# Altium PCB BLE_Gamepad_PCB.PcbDoc (part 1 of 2)
Units mm, origin at the board's own origin, x right, y up, seen from the top; angles counter-clockwise.
Board outline 144.15 x 112 mm, 2 copper layers (Top Layer, Bottom Layer), stack 1.671 mm thick; 133 components, 103 nets, 491 pads, 729 vias.
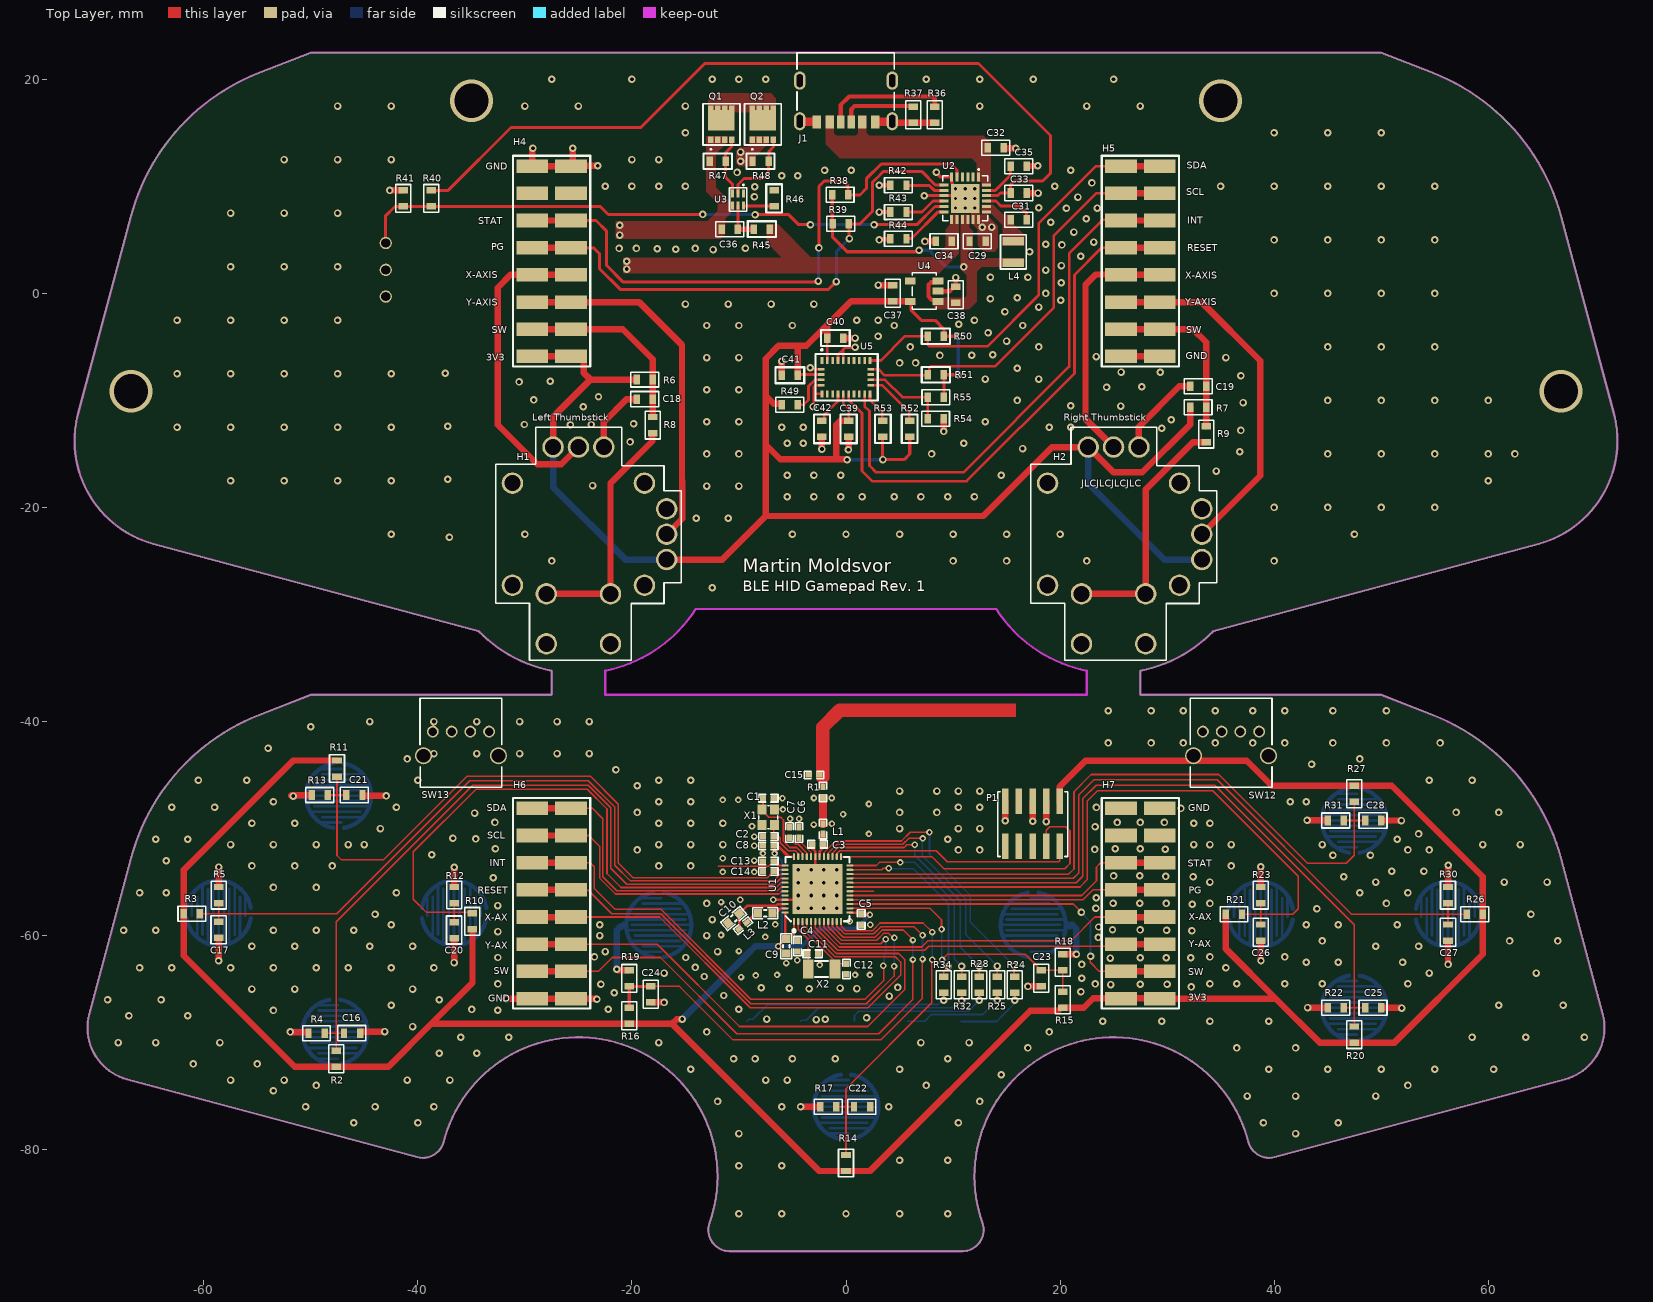
[diagram p0: Top Layer view]
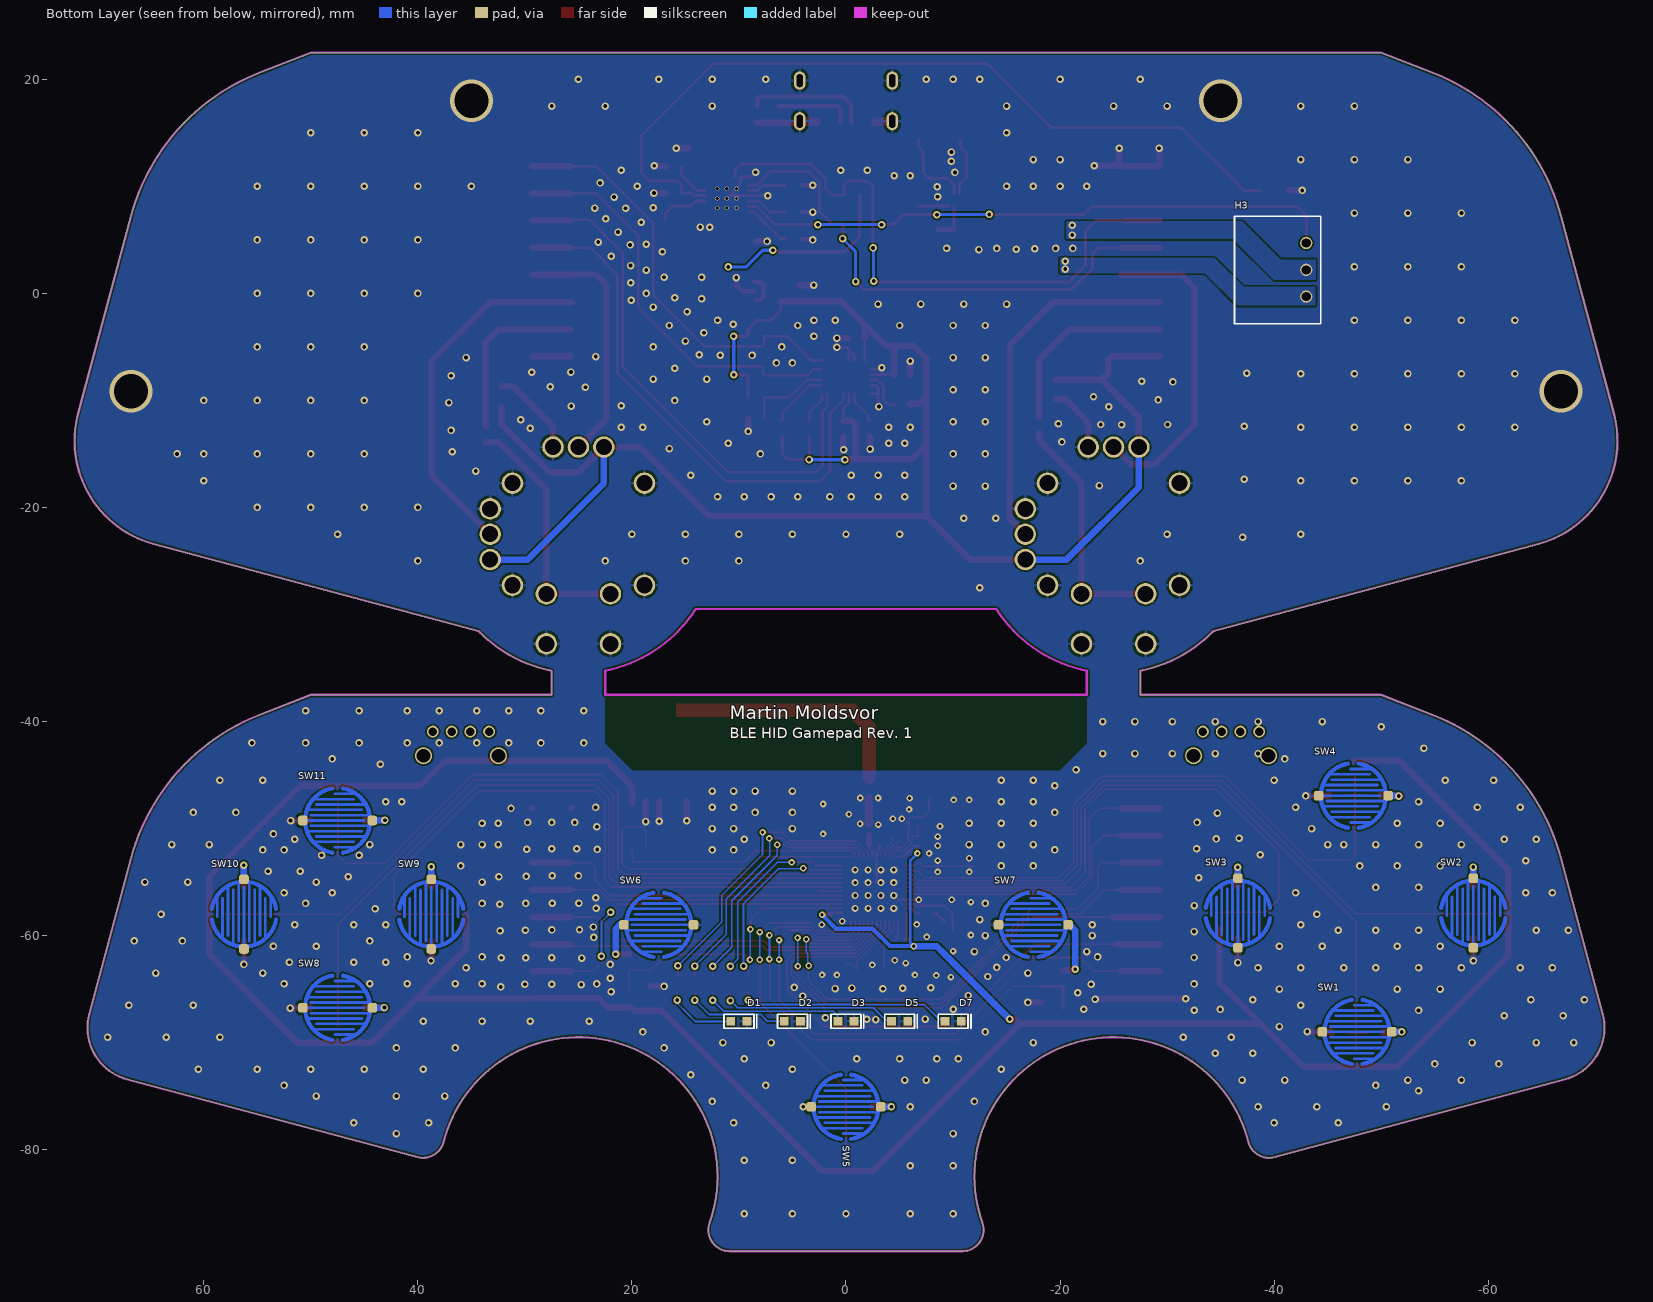
[diagram p1: Bottom Layer view, seen from below]
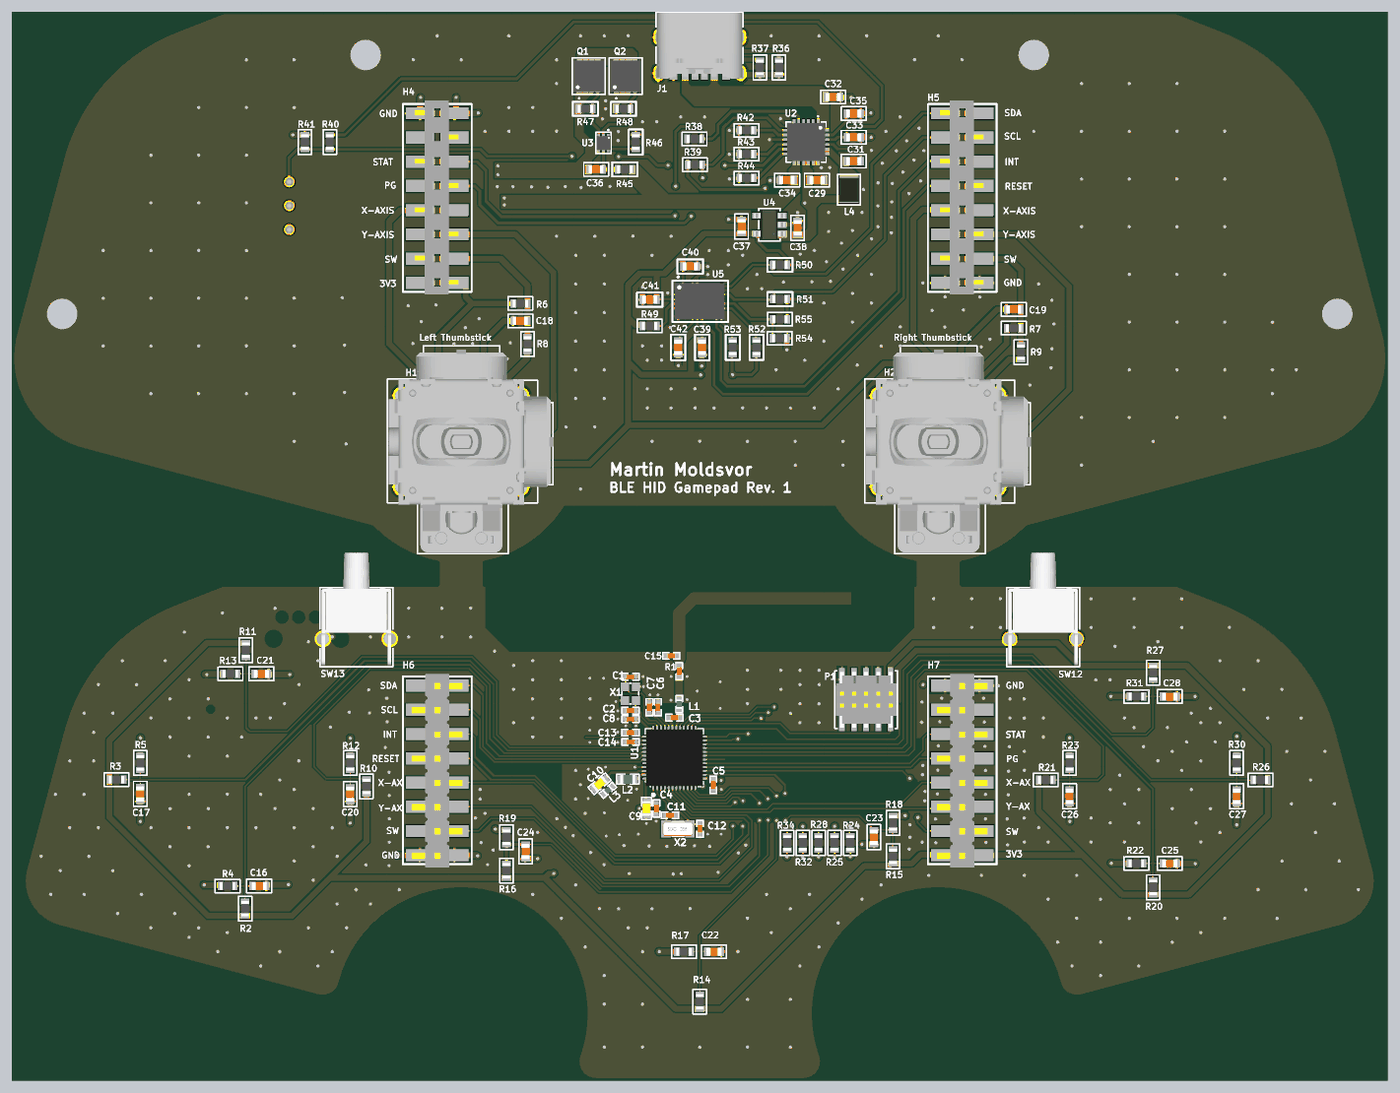
[diagram p3: 3D render of the assembled board from above, using the file's embedded part models]

## Layer stack, top to bottom
Top Solder: solder mask 0.0102, Solder Resist, Dk 3.5
Top Layer: signal copper 0.0356
Dielectric1: core 1.6002, FR-4, Dk 4.8
Bottom Layer: signal copper 0.0356
Bottom Solder: solder mask 0.0102, Solder Resist, Dk 3.5

## Board outline
-67.165,-73.436 cw(c-65.871,-68.607) -70.701,-67.313 -66.819,-52.824 cw(c-47.618,-57.894) -54.793,-39.377 -50,-37.5 -27.5,-37.5 -27.5,-35.257 cw(c-25,-22.5) -34.331,-31.552 -64.665,-23.424 cw(c-62.077,-13.764) -71.736,-11.176 -66.819,7.176 cw(c-47.618,2.106) -54.793,20.623 -50,22.5 50,22.5 54.793,20.623 cw(c47.5,2) 66.819,7.176 71.736,-11.176 cw(c62.077,-13.764) 64.665,-23.424 34.331,-31.552 cw(c25,-22.5) 27.5,-35.257 27.5,-37.5 50,-37.5 54.793,-39.377 cw(c47.5,-58) 66.819,-52.824 70.701,-67.313 cw(c65.871,-68.607) 67.165,-73.436 40.047,-80.703 cw(c39.529,-78.771) 37.592,-79.268 ccw(c25,-82.5) 12.743,-86.833 cw(c10.858,-87.5) 10.858,-89.5 -10.858,-89.5 cw(c-10.858,-87.5) -12.743,-86.833 ccw(c-25,-82.5) -37.592,-79.268 cw(c-39.529,-78.771) -40.047,-80.703
cut-out: -22.5,-37.5 22.5,-37.5 22.5,-35.257 cw(c25,-22.5) 14.046,-29.5 -14.046,-29.5 cw(c-25,-22.5) -22.5,-35.257

## Design rules (kind name [scope] priority, off if disabled: settings)
Clearance Polygon_ANT [(InNamedPolygon('Top_Layer-GND')) or (InNamedPolygon('Bottom_Layer-GND')) vs InNet('RF')] p1: gap=0.127 ignorepadtopadclearanceinfootprint=FALSE except(0: Arc-Hole Track-Hole SMDPad-Hole THPad-Hole Via-Hole Fill-Hole Poly-Hole Region-Hole Text-Hole)
Clearance Polygon [(InNamedPolygon('Top_Layer-GND')) or (InNamedPolygon('Bottom_Layer-GND'))] p2: gap=0.254 ignorepadtopadclearanceinfootprint=FALSE except(0: Arc-Hole Track-Hole SMDPad-Hole THPad-Hole Via-Hole Fill-Hole Poly-Hole Region-Hole Text-Hole)
Clearance [All] p3: gap=0.152 ignorepadtopadclearanceinfootprint=FALSE except(0: Arc-Hole Track-Hole SMDPad-Hole THPad-Hole Via-Hole Fill-Hole Poly-Hole Region-Hole Text-Hole; 0.127: Arc-Arc Arc-Track Track-Track SMDPad-SMDPad)
ComponentClearance [All] p1 off: gap=0.254 collisioncheckmode=3 verticalgap=0.254 showdistances=FALSE
FabricationTestPointUsage TestPointUsage [All] p1: valid=0 allowmultiple=FALSE
FabricationTestpoint Testpoint [All] p1: side=3 testpointundercomponent=TRUE minsize=1.016 maxsize=2.54 preferedsize=1.524 minholesize=0 maxholesize=1.016 preferedholesize=0.813 testpointgrid=0.025 allowsidetop=TRUE allowsidebottom=TRUE usegrid=TRUE gridtolerance=0
Height [All] p1 off: minheight=0 maxheight=25.4 prefheight=12.7
HoleSize [All] p1: absolutevalues=TRUE maxlimit=6.3 minlimit=0.2 maxpercent=80.000 minpercent=20.000
MinimumAnnularRing [All] p1 off: minimumring=0.152
PolygonConnect PowerPolygonConnect [(InNet('VBUS') OR InNet('SYS') OR InNet('PACK+') OR InNet('NetQ1_5') OR InNet('SW') OR InNet('CELL-') OR IsNamedPolygon('GND_PROT') OR IsNamedPolygon('GND_BMS'))] p1: connectstyle=Direct reliefconductorwidth=0.254 reliefentries=4 polygonreliefangle="90 Angle" airgapwidth=0.254
PolygonConnect PolygonConnect_1 [isVia and innet(gnd)] p2: connectstyle=Direct reliefconductorwidth=0.254 reliefentries=4 polygonreliefangle="90 Angle" airgapwidth=0.254
PolygonConnect [All] p3: connectstyle=Relief reliefconductorwidth=0.254 reliefentries=4 polygonreliefangle="90 Angle" airgapwidth=0.254
RoutingVias [All] p1: holewidth=0.406 width=0.813 viastyle="Through Hole" minholewidth=0.254 minwidth=0.254 maxholewidth=0.711 maxwidth=1.27
SilkToSolderMaskClearance SilkscreenOverComponentPads [IsPad] p1: minsilkscreentomaskgap=0.254 clearancetoexposedcopper=TRUE
SolderMaskExpansion [All] p1: expansion=0.076 istentingtop=FALSE
Width [All] p1: maxlimit=2 minlimit=0.15 preferedwidth=0.25 minimp=50.000000 maximp=50.000000 favimp=50.000000
24 further rules are at their usual default settings.

## Classes and differential pairs
component class Gamepad_Sensors: C18 C19 C39 C40 C41 C42 H1 H2 H4 H5 R6 R7 R8 R9 R49 R50 R51 R52 R53 R54 R55 U5
component class Battery_Manager: C29 C31 C32 C33 C34 C35 C36 C37 C38 H3 J1 L4 Q1 Q2 R36 R37 R38 R39 R40 R41 R42 R43 R44 R45 R46 R47 R48 U2 U3 U4
component class Gamepad_IO: C16 C17 C20 C21 C22 C23 C24 C25 C26 C27 C28 D1 D2 D3 D5 D7 R2 R3 R4 R5 R10 R11 R12 R13 R14 R15 R16 R17 R18 R19 R20 R21 R22 R23 R24 R25 R26 R27 R28 R30 R31 R32 R34 SW1 SW2 SW3 SW4 SW5 SW6 SW7 SW8 SW9 SW10 SW11 SW12 SW13
component class nRF52832_Schematic: C1 C2 C3 C4 C5 C6 C7 C8 C9 C10 C11 C12 C13 C14 C15 H6 H7 L1 L2 L3 P1 R1 U1 X1 X2

## Components (designator, comment, footprint, x,y, rotation, side; value= is the part's Value field where it differs from the comment)
C1 "12pF" CAPC1005X04L -7.259,-47.173 r0 top
C2 "12pF" CAPC1005X04L -7.259,-50.729 r180 top
C3 "0.8pF" CAPC1005X04L -2.661,-51.466 r0 top
C4 "100nF" CAPC1005X04L -4.541,-60.991 r270 top
C5 "100nF" CAPC1005X04L 1.428,-58.502 r270 top
C6 "N.C." CAPC1005X04L -4.388,-50.374 r270 top
C7 "100pF" CAPC1005X04L -5.277,-50.374 r90 top
C8 "100nF" CAPC1005X04L -7.259,-51.618 r180 top
C9 "4.7µF" CAPC1608X06L -5.582,-60.991 r270 top
C10 "1.0µF" CAPC1608X06L -10.489,-58.399 r40 top
C11 "12pF" CAPC1005X04L -3.118,-61.702 r0 top
C12 "12pF" CAPC1005X04L 0.031,-63.125 r270 top
C13 "12pF" CAPC1005X04L -7.259,-53.041 r180 top
C14 "12pF" CAPC1005X04L -7.259,-54.006 r180 top
C15 "1.2pF" "0603 RF" -2.991,-44.989 r0 top
C16 "1.0uF" "0603 Capacitor" -46.153,-69.118 r180 top
C17 "1.0uF" "0603 Capacitor" -58.618,-59.464 r90 top
C18 "Capacitor" "0603 Capacitor" -18.8,-9.875 r0 top
C19 "Capacitor" "0603 Capacitor" 32.9,-8.675 r0 top
C20 "1.0uF" "0603 Capacitor" -36.618,-59.49 r90 top
C21 "1.0uF" "0603 Capacitor" -45.927,-46.868 r180 top
C22 "1.0uF" "0603 Capacitor" 1.5,-76 r180 top
C23 "1.0uF" "0603 Capacitor" 18.25,-64 r90 top
C24 "1.0uF" "0603 Capacitor" -18.25,-65.5 r90 top
C25 "1.0uF" "0603 Capacitor" 49.25,-66.75 r180 top
C26 "1.0uF" "0603 Capacitor" 38.75,-59.715 r90 top
C27 "1.0uF" "0603 Capacitor" 56.25,-59.715 r90 top
C28 "1.0uF" "0603 Capacitor" 49.25,-49.25 r180 top
C29 "10uF" "0603 Capacitor" 12.289,4.875 r180 top
C31 "47nF" "0603 Capacitor" 16.139,6.875 r180 top
C32 "1uF" "0603 Capacitor" 14,13.6 r180 top
C33 "4.7uF" "0603 Capacitor" 16.139,9.375 r180 top
C34 "10uF" "0603 Capacitor" 9.139,4.875 r0 top
C35 "10uF" "0603 Capacitor" 16.139,11.875 r180 top
C36 "0.1uF" "0603 Capacitor" -10.861,6 r0 top
C37 "1uF 10V" "0603 Capacitor" 4.375,0.025 r270 top
C38 "1uF 10V" "0603 Capacitor" 10.25,-0.114 r270 top
C39 "0.1uF" "0603 Capacitor" 0.25,-12.65 r90 top
C40 "0.1uF" "0603 Capacitor" -1,-4.175 r0 top
C41 "0.1uF" "0603 Capacitor" -5.25,-7.65 r0 top
C42 "0.1uF" "0603 Capacitor" -2.25,-12.65 r90 top
D1 "LED" "0603 LED" 10,-68 r180 bottom
D2 "LED" "0603 LED" 5,-68 r180 bottom
D3 "LED" "0603 LED" 0,-68 r180 bottom
D5 "LED" "0603 LED" -5,-68 r180 bottom
D7 "LED" "0603 LED" -10,-68 r180 bottom
H1 "Left Thumbstick" "Thumbstick 2" -25,-22.5 r0 top
H2 "Right Thumbstick" "Thumbstick 2" 25,-22.5 r0 top
H3 "22-05-7035" "Molex Header 3" -43,4.7 r270 bottom
H4 "8x1 Header" "SMD Header Female" -27.5,3 r90 top
H5 "8x1 Header" "SMD Header Female" 27.5,3 r90 top
H6 "8x1 Header" "SMD Header Male" -27.5,-57 r90 top
H7 "8x1 Header" "SMD Header Male" 27.5,-57 r90 top
J1 "USB4125-GF-A" USB4125 0,16 r180 top
L1 "3.9nH" INDC1005X04L -2.153,-50.044 r90 top
L2 "10µH" INDC1608X06L -7.543,-57.918 r0 top
L3 "15nH" INDC1005X04L -9.626,-59.085 r40 top
L4 "1uH" SRP2510A 15.639,4.875 r270 top
P1 "JTag Connector" "JTAG 10 pin SMD" 14.89,-51.663 r90 top
Q1 "CSD16406Q3" CSD16406Q3 -11.325,14.35 r90 top
Q2 "CSD16406Q3" CSD16406Q3 -7.45,14.35 r90 top
R1 "0R" "0603 RF" -2.153,-46.589 r90 top
R2 "10k" "0603 Resistor" -47.632,-71.5 r270 top
R3 "10k" "0603 Resistor" -61.118,-57.964 r180 top
R4 "1k" "0603 Resistor" -49.472,-69.118 r0 top
R5 "1k" "0603 Resistor" -58.618,-56.214 r270 top
R6 "Resistor" "0603 Resistor" -18.8,-8.05 r180 top
R7 "Resistor" "0603 Resistor" 32.9,-10.625 r180 top
R8 "Resistor" "0603 Resistor" -18.05,-12.3 r270 top
R9 "Resistor" "0603 Resistor" 33.65,-13.15 r270 top
R10 "10k" "0603 Resistor" -34.925,-58.675 r270 top
R11 "10k" "0603 Resistor" -47.554,-44.394 r90 top
R12 "1k" "0603 Resistor" -36.618,-56.213 r270 top
R13 "1k" "0603 Resistor" -49.17,-46.868 r0 top
R14 "10k" "0603 Resistor" 0,-81.25 r270 top
R15 "10k" "0603 Resistor" 20.25,-66 r270 top
R16 "10k" "0603 Resistor" -20.25,-67.5 r270 top
R17 "1k" "0603 Resistor" -1.661,-76 r0 top
R18 "1k" "0603 Resistor" 20.25,-62.5 r270 top
R19 "1k" "0603 Resistor" -20.25,-64 r270 top
R20 "10k" "0603 Resistor" 47.5,-69.25 r270 top
R21 "10k" "0603 Resistor" 36.25,-58 r180 top
R22 "1k" "0603 Resistor" 45.75,-66.75 r0 top
R23 "1k" "0603 Resistor" 38.75,-56.215 r270 top
R24 "50R" "0603 Resistor" 15.775,-64.6 r270 top
R25 "50R" "0603 Resistor" 14.125,-64.6 r270 top
R26 "10k" "0603 Resistor" 58.75,-58 r0 top
R27 "10k" "0603 Resistor" 47.5,-46.75 r90 top
R28 "50R" "0603 Resistor" 12.45,-64.6 r270 top
R30 "1k" "0603 Resistor" 56.25,-56.215 r270 top
R31 "1k" "0603 Resistor" 45.75,-49.25 r0 top
R32 "50R" "0603 Resistor" 10.8,-64.6 r270 top
R34 "50R" "0603 Resistor" 9.15,-64.6 r270 top
R36 "5.1k 10%" "0603 Resistor" 8.3,16.7 r90 top
R37 "5.1k 10%" "0603 Resistor" 6.3,16.7 r90 top
R38 "10k" "0603 Resistor" -0.55,9.2 r180 top
R39 "10k" "0603 Resistor" -0.5,6.5 r180 top
R40 "5.3k" "0603 Resistor" -38.75,8.875 r90 top
R41 "31.14k" "0603 Resistor" -41.375,8.875 r270 top
R42 "160R" "0603 Resistor" 4.9,10.1 r0 top
R43 "226R" "0603 Resistor" 4.9,7.6 r0 top
R44 "FLOAT or 10k" "0603 Resistor" 4.9,5.1 r0 top
R45 "330R" "0603 Resistor" -7.861,6 r0 top
R46 "2.2k" "0603 Resistor" -6.711,8.875 r270 top
R47 "5M" "0603 Resistor" -11.986,12.35 r0 top
R48 "5M" "0603 Resistor" -7.986,12.35 r0 top
R49 "10k" "0603 Resistor" -5.25,-10.4 r180 top
R50 "2.2k" "0603 Resistor" 8.4,-4 r0 top
R51 "2.2k" "0603 Resistor" 8.4,-7.6 r0 top
R52 "Resistor" "0603 Resistor" 5.95,-12.65 r270 top
R53 "Resistor" "0603 Resistor" 3.45,-12.65 r270 top
R54 "Resistor" "0603 Resistor" 8.4,-9.7 r0 top
R55 "0R" "0603 Resistor" 8.375,-11.7 r180 top
SW1 "Switch Button" "ButtonPad Version 1" -47.75,-69 r180 bottom
SW2 "Switch Button" "ButtonPad Version 1" -58.618,-57.894 r90 bottom
SW3 "Switch Button" "ButtonPad Version 1" -36.618,-57.894 r90 bottom
SW4 "Switch Button" "ButtonPad Version 1" -47.411,-46.931 r180 bottom
SW5 "Switch Button" "ButtonPad Version 1" 0,-76 r180 bottom
SW6 "Switch Button" "ButtonPad Version 1" 17.5,-59 r0 bottom
SW7 "Switch Button" "ButtonPad Version 1" -17.5,-59 r180 bottom
SW8 "Switch Button" "ButtonPad Version 1" 47.5,-66.75 r180 bottom
SW9 "Switch Button" "ButtonPad Version 1" 38.75,-58 r90 bottom
SW10 "Switch Button" "ButtonPad Version 1" 56.25,-58 r90 bottom
SW11 "Switch Button" "ButtonPad Version 1" 47.5,-49.25 r180 bottom
SW12 "TL2243" TL2243 35.975,-43.2 r180 top
SW13 "TL2243" TL2243 -35.975,-43.2 r180 top
U1 "nRF52832-QFAB" QFN40P600X600X90-48N -2.661,-55.657 r90 top
U2 "BQ25616JRTWR" BQ25616 11.139,8.875 r270 top
U3 "BQ29700DSET" BQ297xx -9.586,9.35 r270 top
U4 "MIC5504-3.3YM5-TR" MIC5504 8.6,1.161 r270 top
U5 "BNO080" BNO080 0,-7.825 r90 top
X1 "32MHz" BT-XTAL_2016 -7.259,-48.951 r270 top
X2 "32.768kHz" XTAL_3215 -2.28,-63.125 r0 top

## Footprints (in the part's own frame and the unit in brackets; to place one, negate y for a bottom-side part, rotate by r counter-clockwise, add the part's x,y. Pads: shape width x height; smd on the part's side, far side on the other; paste and mask are expansions set on the pad)
"0603 Capacitor" [mm]
  rect 0.6x0.9 smd: 1(-0.75,0) 2(0.75,0)
  silkscreen extent -1.3,-0.71 1.32,0.71, body extent -0.8,-0.42 0.8,0.45, height 0.81
"0603 LED" [mm]
  rect 0.8x0.8 smd: 1(-0.75,0) 2(0.75,0)
  silkscreen extent -1.4,-0.67 1.68,0.66, body extent -0.8,-0.4 0.8,0.4, height 0.56
"0603 Resistor" [mm]
  rect 0.6x0.9 smd: 1(-0.75,0) 2(0.75,0)
  silkscreen extent -1.3,-0.7 1.3,0.7, body extent -0.8,-0.4 0.8,0.4, height 0.56
"0603 RF" [mm]
  rect 0.6x0.5 smd: 1(-0.5,0) 2(0.5,0)
  silkscreen extent -0.9,-0.35 0.9,0.35, body extent -0.51,-0.25 0.51,0.25, height 0.5
BNO080 [mm]
  rect 0.675x0.25 smd: 1(1.563,2.25) 6(-1.562,2.25) 7(-1.562,1.75) 8(-1.562,1.25) 9(-1.562,0.75) 10(-1.562,0.25) 11(-1.562,-0.25) 12(-1.562,-0.75) 13(-1.562,-1.25) 14(-1.562,-1.75) 15(-1.562,-2.25) 20(1.563,-2.25) 21(1.563,-1.75) 22(1.563,-1.25) 23(1.563,-0.75) 24(1.563,-0.25) 25(1.563,0.25) 26(1.563,0.75) 27(1.563,1.25) 28(1.563,1.75)
  rect 0.25x0.575 smd: 2(0.75,2.312) 3(0.25,2.312) 4(-0.25,2.312) 5(-0.75,2.312) 16(-0.75,-2.312) 17(-0.25,-2.312) 18(0.25,-2.312) 19(0.75,-2.312)
  silkscreen extent -2.17,-2.96 2.62,2.86, body extent -1.89,-2.6 1.91,2.6, height 1.19
BQ297xx [mm]
  rect 0.75x0.28 smd mask+0.05: 1(0,0) 2(0,-0.5) 3(0,-1) 4(1.15,-1) 5(1.15,-0.5) 6(1.15,0)
  silkscreen extent -0.84,-1.3 1.68,0.3, body extent -0.17,-1.25 1.33,0.25, height 0.81
BQ25616 [mm]
  rect 0.85x0.28 smd mask+0.07: 1(-1.984,1.24) 2(-1.984,0.74) 3(-1.984,0.24) 4(-1.984,-0.26) 5(-1.984,-0.76) 6(-1.984,-1.26) 13(1.966,-1.26) 14(1.966,-0.76) 15(1.966,-0.26) 16(1.966,0.24) 17(1.966,0.74) 18(1.966,1.24)
  rect 0.28x0.85 smd mask+0.07: 7(-1.25,-1.975) 8(-0.75,-1.975) 9(-0.25,-1.975) 10(0.25,-1.975) 11(0.75,-1.975) 12(1.25,-1.975) 19(1.25,1.975) 20(0.75,1.975) 21(0.25,1.975) 22(-0.25,1.975) 23(-0.75,1.975) 24(-1.25,1.975)
  rect 2.7x2.7 smd paste-3.95 mask+0.07: 25(0,0)
  silkscreen extent -2.76,-2.1 2.1,2.1, body extent -2,-2 2,2, height 0.81
BT-XTAL_2016 [mm] "Crystal 2.0 x 1.6 mm"
  rect 0.95x0.85 smd: 1(-0.725,-0.575) 2(0.725,-0.575) 3(0.725,0.575) 4(-0.725,0.575)
  silkscreen extent -1.08,-0.88 1.08,0.88
"ButtonPad Version 1" [mm]
  rrect50% 0.9x0.9 smd: 1(-3.25,0) 2(3.25,0)
  Top Layer lines w0.25: 3,-0.5 -2.5,-0.5 ; 3,0.5 -2.5,0.5 ; 2.5,-1.5 -2,-1.5 ; 2.5,0 -3,0 ; 2.5,1.5 -2,1.5 ; 2.25,-1 -2.75,-1 ; 2.25,1 -2.75,1 ; 1.75,-2.5 -0.25,-2.5 ; 1.75,2.5 -0.25,2.5 ; 1.5,-2 -2.25,-2 ; 1.5,2 -2.25,2
  Top Layer lines w0.4: 0.5,-3 ccw(c0,0) 0.5,3 ; -0.5,-3 cw(c0,0) -0.5,3
CAPC1005X04L [mm] "Chip Capacitor, 2-Leads, Body 1.0x0.5mm, IPC High Density"
  rect 0.6x0.5 smd: 1(-0.5,0) 2(0.5,0)
  silkscreen extent -0.9,-0.35 0.9,0.35, body extent -0.51,-0.25 0.51,0.25, height 0.5
CAPC1608X06L [mm] "Chip Capacitor, 2-Leads, Body 1.6x0.8mm, IPC High Density"
  rect 0.75x0.8 smd: 1(-0.675,0) 2(0.675,0)
  silkscreen extent -1.17,-0.5 1.17,0.5, body extent -0.8,-0.43 0.8,0.43, height 0.8
CSD16406Q3 [mm]
  rect 0.63x0.5 smd mask+0.05: 1(0,1.3) 1(0,0.65) 1(0,0) 4(0,-0.65) 5(2.87,-0.65) 5(2.87,0) 5(2.87,0.65) 5(2.87,1.3)
  rect 1.9x2.45 smd mask+0.05: 5(1.825,0.325)
  silkscreen extent -0.95,-1.42 3.35,2.04, body extent -0.23,-1.34 3.07,1.96, height 1.11
INDC1005X04L [mm] "Chip Inductor, 2-Leads, Body 1.0x0.5mm, IPC High Density"
  rect 0.65x0.5 smd: 1(-0.475,0) 2(0.475,0)
  silkscreen extent -0.9,-0.35 0.9,0.35, body extent -0.5,-0.3 0.5,0.3, height 0.5